# Allegro board T736_DEMO_CORE_AXP8191_LP4_4X_32X1_V0_5-draft.brd (continued)
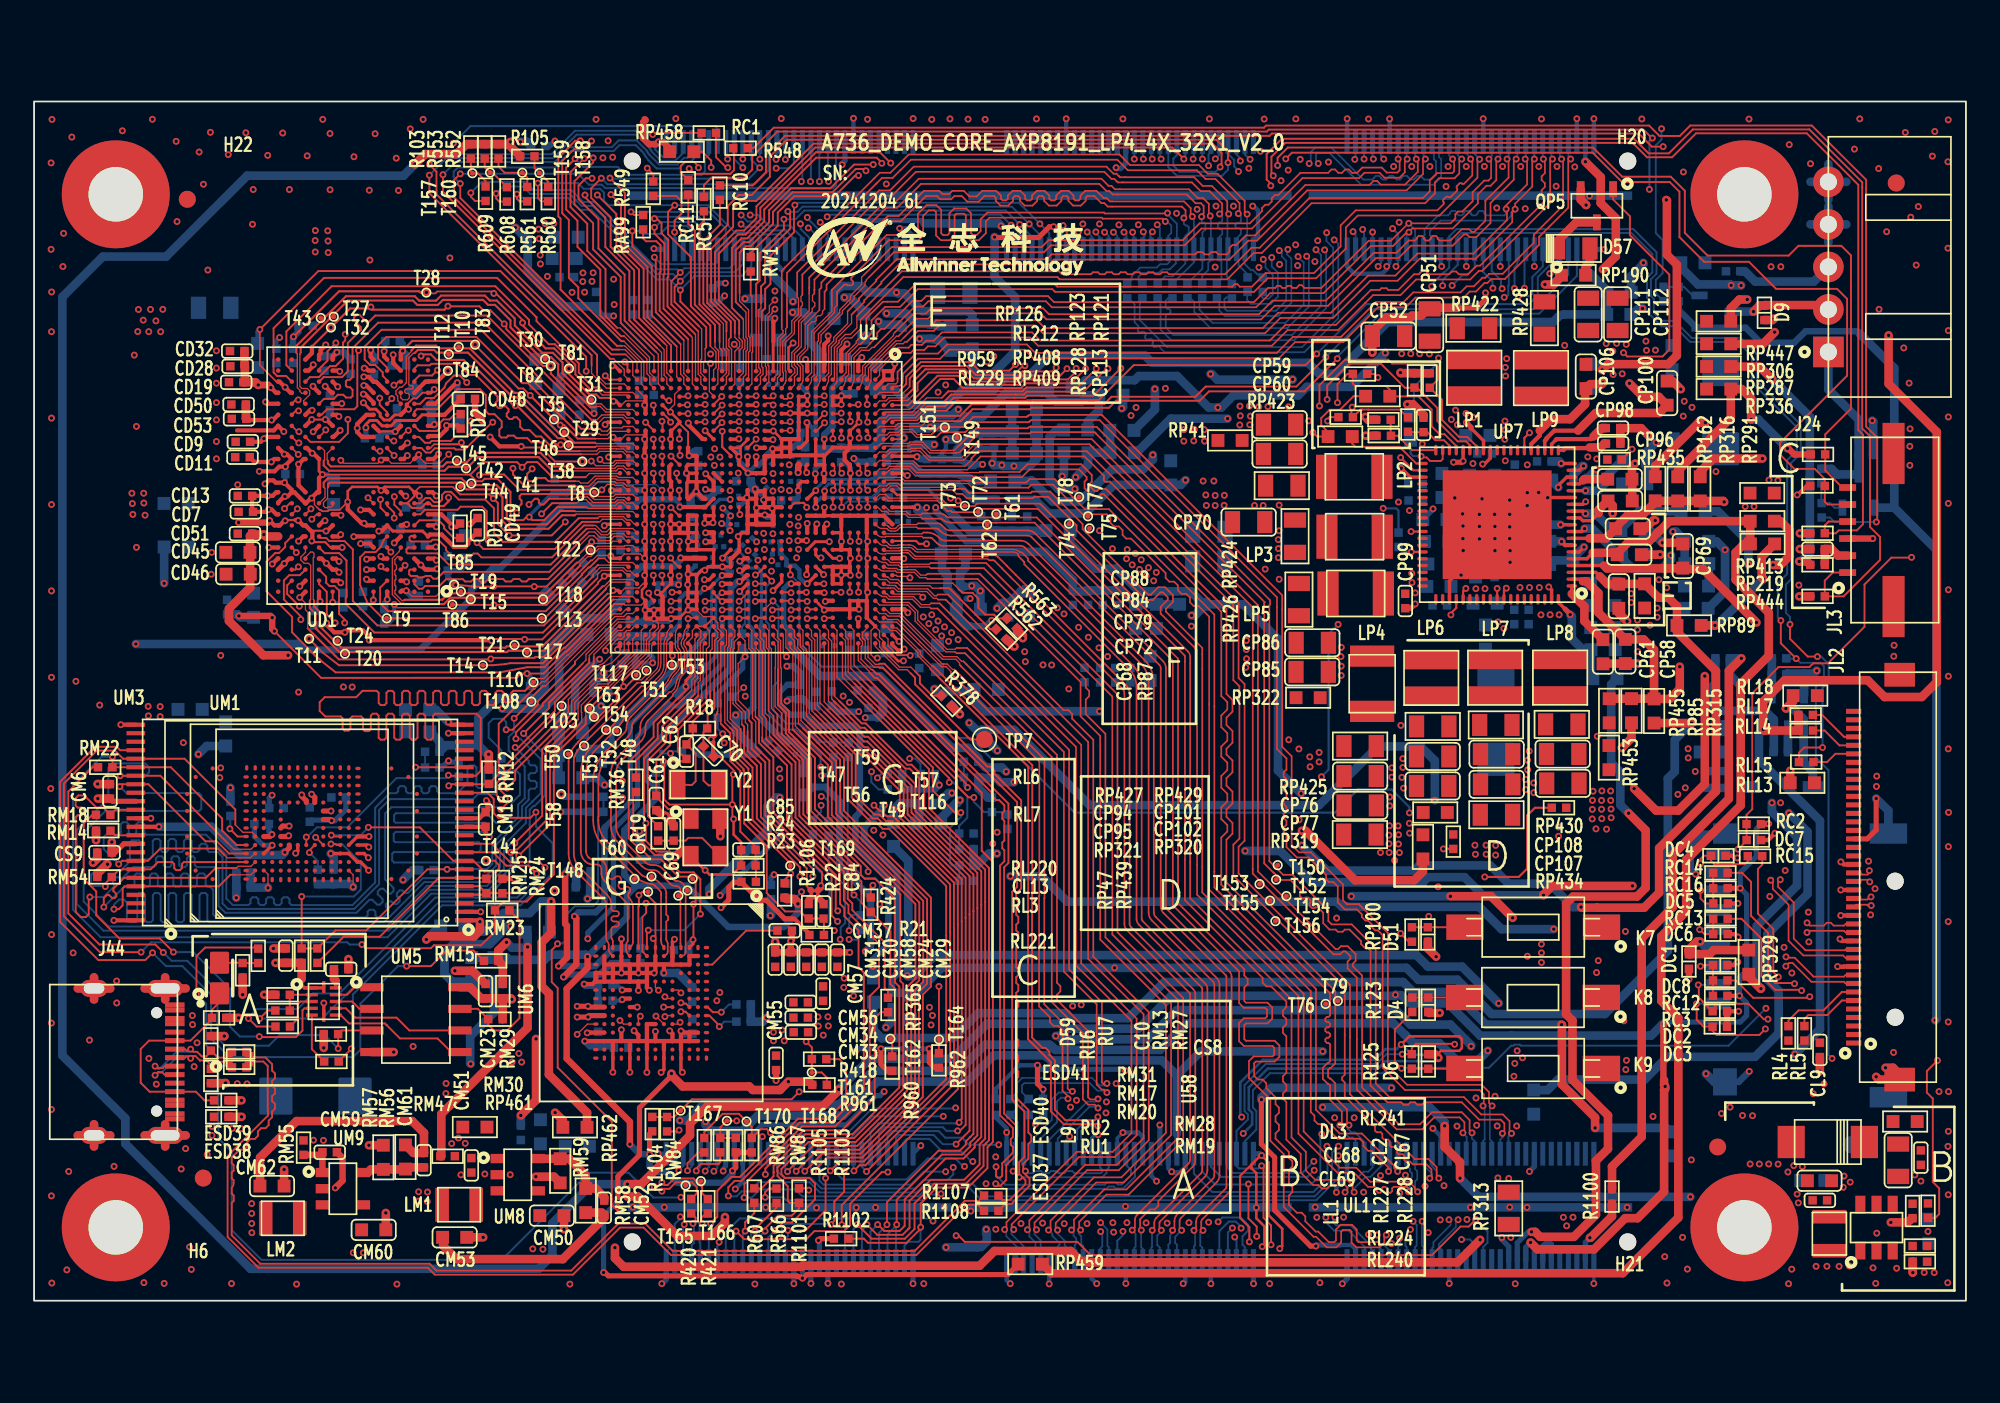
[diagram p0: board, top side]
## Copper pours and planes (outline as drawn; the poured copper is in the pictures) (continued)
VCC-PC on L4: 3.3,29.57 3.3,26.17 10.01,19.46 10.01,16.07 15.79,10.28 15.79,9.4 16.05,9.15 17.33,9.15 17.52,9.34 17.52,11.96 17.05,12.44 15.72,12.44 11.5,16.66 11.5,17.91 13.08,19.49 13.09,19.49 13.11,19.51 15.96,19.51 18.23,17.24 24.68,17.24 25.15,17.71 25.15,17.73 26.93,19.51 28.79,19.51 29.47,20.19 29.46,20.2 29.46,20.97 29.03,21.4 27.83,21.4 27.75,21.49 27.75,22.55 29.22,24.02 29.22,26.03 31.19,27.99 31.19,29.05 31.07,29.16 30.6,29.16 29.87,28.43 29.18,28.43 28.96,28.64 28.96,31.31 27.8,32.48 26.54,32.48 26.32,32.26 26.32,31.63 27.1,30.85 27.1,25.8 26.63,25.33 26.63,23.59 26.65,23.57 26.65,22.16 26.17,21.68 25.41,21.68 20.02,27.07 17.67,27.07 16.45,25.85 14.88,25.85 14.61,26.11 14.61,27.92 12.7,29.83 3.56,29.83
VCC-SYS-5V on TOP: 87.47,11.43 87.47,17.23 87.5,17.26 87.5,20.95 87.8,21.25 89.05,21.25 89.32,20.99 89.32,12.6 91.18,10.73 91.18,4.96 90.34,4.12 89.58,4.12 89.25,4.45 89.25,9.65
VCC-SYS-5V on BOTTOM: 89.49,1.64 89.51,1.61 90.78,1.61 90.8,1.62 90.8,3.04 90.77,3.06 90.77,4.94 90.61,5.1 89.57,5.1 89.49,5.01
VCC-SYS-5V on BOTTOM: 90.99,23.35 90.99,23.02 89.5,21.53 88.28,21.53 88.17,21.42 88.17,19.89 88.37,19.69 90.19,19.69 92.82,22.32 92.82,24.47 90.46,26.83 89.37,26.83 87.17,29.03 87.17,32.52 86.65,33.04 84.96,33.04 84.7,32.78 84.7,28.55 88.28,24.97 89.37,24.97
VCC-UFS on TOP: 12.52,7.23 13.54,7.23 13.78,6.99 13.78,6.09 14.01,5.86 14.01,3.78 13.91,3.68 12.6,3.68 12.43,3.85 12.43,7.14
VCC-UFS on TOP: 34.8,17.13 34.8,17.36 34.96,17.51 37.52,17.51 37.72,17.72 38.16,17.72 38.49,17.39 39.05,17.39 39.17,17.26 39.17,16.7 38.97,16.5 38.39,16.5 38.18,16.7 37.93,16.7 37.62,17.01 34.93,17.01
VCC-UFS on TOP: 24.75,10.46 24.27,9.98 24.27,9.14 24.42,8.99 25.46,8.99 25.73,9.26 25.73,10.51 25.58,10.66 24.9,10.66 24.74,10.5 24.74,10.47
VCC-UFS on BOTTOM: 37.5,17.82 37.19,17.51 35.36,17.51 35.01,17.16 32.98,17.16 32.06,18.07 30.26,18.07 29.13,16.95 29.13,16.93 28.38,16.17 28.38,16.17 27.39,15.18 27.39,13.79 24.08,10.49 20.38,10.49 16.26,6.37 12.69,6.37 12.3,5.97 12.3,4.01 12.55,3.75 18.34,3.75 22.79,8.2 22.79,8.22 24.97,8.22 31.35,14.6 31.35,15.69 31.81,16.15 32.65,16.15 32.71,16.08 32.71,15.68 33.05,15.34 34.43,15.34 34.57,15.21 34.57,14.68 34.72,14.53 35.18,14.53 35.84,15.19 36.47,15.19 37.55,16.27 38.81,16.27 38.97,16.43 38.97,17.77 38.93,17.82
VCC-VDDQ on BOTTOM: outline of 90 points within 8.69,40.87 24.63,55.79
VCC-WIFI on BOTTOM: 53.57,58.65 53.57,58.64 53.51,58.58 52.54,58.58 51.32,59.8 49.1,59.8 48.73,60.17 44.14,60.17 43.65,60.66 43.65,61.29 43.76,61.19 43.76,61.01 44.09,60.67 49.17,60.67 49.43,60.41 53.1,60.41 53.63,59.88 53.63,58.7
VDD-COMB0 on BOTTOM: 61.04,36.59 64.95,36.59 65.24,36.88 65.99,36.88 66.02,36.85 66.02,35.6 65.98,35.55 59.45,35.55 59.02,35.98 59.02,37.47 59.17,37.61 60.02,37.61
VDD-COMB0 on L4: 45.14,46.06 45.14,45.35 45.32,45.16 46.88,45.16 47.04,45.32 49.69,45.32 51.1,43.91 57.43,43.91 58.68,42.66 58.68,37.24 59.08,36.84 60,36.84 60.17,37.01 60.17,42.45 57.75,44.88 53.23,44.88 52.66,45.45 51.5,45.45 51.01,45.93 47.5,45.93 47.03,46.39 45.47,46.39 45.14,46.06
VDD-CPUB on TOP: 43.85,43.45 43.72,43.57 43.72,46.11 44.02,46.42 45.02,46.42 45.12,46.32 45.12,44.44 45.12,43.56 45.01,43.45
VDD-CPUB on TOP: 78.46,28.14 78.36,28.04 78.36,25.68 78.5,25.54 80.24,25.54 80.45,25.74 80.45,27.9 80.2,28.14
VDD-CPUB on BOTTOM: 43.72,44.9 43.72,46.22 43.82,46.32 48.78,46.32 49.12,45.98 52.83,45.98 53.12,45.69 53.12,45.68 53.18,45.62 53.18,42.07 53.65,41.6 53.65,40.66 53.86,40.45 54.51,40.45 54.6,40.37 54.6,38.85 54.25,38.5 51.6,38.5 51.03,39.06 50.05,39.06 49.83,38.83 46.05,38.83 45.64,39.24 45.64,42.79 44.97,43.46 44.76,43.46 44.75,43.46 44.59,43.46 44.2,43.85 44.2,44.42
VDD-CPUB on L3: 52.39,40.75 51.97,40.33 51.97,37.41 52.87,36.51 55.73,36.51 59.81,32.43 74.75,32.43 75.1,32.79 75.6,32.79 75.89,32.5 75.89,30.18 75.93,30.15 75.93,30.03 75.45,29.56 75.45,25.81 75.67,25.59 80.05,25.59 80.37,25.91 80.37,28.4 83.28,31.31 83.28,36.96 80.45,39.79 80.41,39.79 78.89,41.32 70.9,41.32 68.56,38.98 61.39,38.98 59.62,40.75
VDD-CPUL on TOP: 43.59,43.49 43.59,43.49 43.59,42.82 43.45,42.68 43.2,42.68 43.11,42.76 43.11,43.27 42.99,43.39 42.79,43.39 42.65,43.25 42.65,43.08 42.56,42.99 42.3,42.99 42.22,43.07 42.22,43.74 42.08,43.88 41.88,43.88 41.72,44.04 41.72,44.74 41.82,44.83 42.19,44.83 42.22,44.86 42.22,45.25 42.3,45.33 43.55,45.33 43.59,45.28
VDD-CPUL on BOTTOM: 43.62,43.61 43.85,43.38 43.85,43.06 43.44,42.65 43.15,42.65 43.01,42.78 43.01,43.06 42.72,43.36 42.61,43.37 42.45,43.4 41.74,44.11 41.72,44.11 41.45,44.39 41.45,44.51 42.14,45.2 42.14,45.57 42.31,45.74 43.55,45.74 43.61,45.68 43.61,45.68 43.61,45.33 43.62,45.32
VDD-CPUL on BOTTOM: 63.89,44.36 63.89,43.23 64.23,42.89 64.55,42.89 65.3,42.15 68.19,42.15 68.55,42.51 68.55,44.14 68.34,44.35 65.18,44.35 65.03,44.5 64.02,44.5
VDD-CPUL on L3: 42.18,44.58 42.18,45.09 42.42,45.33 46.7,45.33 46.83,45.46 52.43,45.46 53.52,46.55 65.58,46.55 66.28,45.85 66.28,41.89 65.51,41.11 55.12,41.11 54.91,40.9 52.31,40.9 51.85,40.45 51.85,39.56 51.11,38.82 42.87,38.82 41.75,39.94 41.75,44.15
VDD-DRAM on TOP: 41.07,47.84 40.82,47.84 40.62,48.03 40.62,48.3 40.57,48.34 40.27,48.34 40.16,48.23 40.16,47 40.24,46.93 41,46.93 41.13,47.06 41.13,47.78
VDD-DRAM on BOTTOM: 38.68,44.51 38.68,43.54 38.72,43.5 40.07,43.5 40.17,43.6 40.17,44.01 40.23,44.07 40.23,44.6 40.09,44.74 40.09,45.28 39.99,45.39 39.34,45.39 39.24,45.29 39.24,44.75 39.24,44.74 39.24,44.64 39.2,44.6 38.77,44.6
VDD-DRAM on BOTTOM: 31.45,62.84 31.45,59.96 31.73,59.68 32.88,59.68 33.17,59.97 33.17,61.95 32.24,62.88 31.48,62.88
VDD-DRAM on BOTTOM: 40.63,47.77 41.33,47.77 41.58,47.52 41.58,47.15 41.53,47.11 41.24,47.11 41.23,47.12 41.02,46.9 41.02,46.89 41,46.87 40.39,46.87 39.99,46.47 39.77,46.47 39.69,46.55 39.69,46.73 40,47.05 40.26,47.05 40.58,47.38 40.58,47.71
VDD-DRAM on L3: 38.72,48.66 38.72,50.65 37.67,51.7 37.67,53.36 31.92,59.11 31.92,60.72 32,60.8 35.38,60.8 39.19,56.99 39.19,54.86 40.14,53.91 40.14,50.97 40.26,50.84 41.05,50.84 41.18,50.71 41.18,48.89 41.19,48.88 41.19,47.05 41.05,46.91 40.2,46.91 40.14,46.85 40.13,46.85 39.69,46.42 39.69,44.56 39.57,44.44 38.84,44.44 38.34,44.93 38.34,48.28
VDD-DRAM on L4: 39.31,44.3 38.33,45.28 38.33,46.35 39.98,48 41.05,48 41.21,47.84 41.21,47.01 40.14,45.94 40.14,44.62 39.82,44.3
VDD-GPU on TOP: 75.25,35.85 76.5,35.85 76.59,35.75 76.59,33.89 75.96,33.25 75.96,31.4 75.65,31.09 74.57,31.09 74.42,31.24 74.42,34.18 75.14,34.9 75.14,35.74
VDD-GPU on TOP: 41.03,44.51 40.57,44.51 40.26,44.82 40.26,46.67 40.39,46.8 40.95,46.8 41.08,46.67 41.08,44.57
VDD-GPU on L3: 41.2,43.47 41.2,39.59 42.08,38.72 42.08,38.71 42.25,38.54 50.32,38.54 52.44,36.42 55.68,36.42 59.94,32.15 74.7,32.15 75.1,32.55 75.11,32.55 75.65,32.55 75.74,32.45 75.74,30.6 74.49,29.34 55.89,29.34 52.5,32.73 51.15,32.73 48.14,35.74 47.43,35.74 47.38,35.69 37.64,35.69 34.88,38.51 34.87,39.48 34.88,39.49 34.88,41.04 34.87,41.05 35.93,42.11 37.5,42.11 37.84,42.45 37.84,43.21 38.28,43.65 38.28,43.93 38.67,44.32 39.62,44.32 39.83,44.52 39.83,45.32 40.14,45.63 40.14,46.67 40.26,46.8 41.03,46.8 41.15,46.67 41.15,46.01 41.79,45.38 41.79,44.49 41.5,44.2 41.5,43.77
VDD-NPU on TOP: 87.52,29.19 87.41,29.29 86.28,29.29 86.19,29.2 86.19,27.28 85.97,27.06 84.4,27.06 84.29,26.95 84.29,25.51 84.56,25.24 87.25,25.24 87.52,25.51
VDD-NPU on TOP: 41.15,49.26 41.15,49.07 41.28,48.95 41.41,48.95 41.56,48.8 41.56,48.52 41.48,48.44 41.23,48.44 41.15,48.37 41.15,48.09 41.05,47.99 40.81,47.99 40.72,48.08 40.72,48.34 40.58,48.48 40.43,48.48 40.31,48.59 40.31,48.59 40.05,48.86 39.8,48.86 39.73,48.93 39.73,49.27 39.52,49.48 39.52,50.04 39.79,50.32 40.12,50.32 40.7,49.74 40.7,49.51 40.83,49.37 41.04,49.37
VDD-NPU on BOTTOM: 41.3,49.29 41.3,49.01 41.58,48.74 41.58,48.74 41.62,48.7 41.62,47.88 41.59,47.85 40.96,47.85 40.55,48.26 39.93,48.26 39.76,48.44 39.76,48.93 39.5,49.19 39.5,49.82 39.5,49.83 39.5,50.24 39.33,50.41 38.9,50.41 38.9,50.41 38.65,50.41 37.99,51.07 36.83,51.07 36.35,51.55 36.35,52.81 36.11,53.05 36.11,54.31 36.02,54.4 36.02,54.4 35.62,54.8 29.11,54.8 27.5,56.42 27.5,56.92 23.88,60.53 16.52,60.53 16.17,60.89 16.17,63.16 16.45,63.43 16.45,63.47 16.73,63.76 26.04,63.76 28.51,61.29 28.51,60.42 31.4,57.52 32.41,57.52 32.42,57.53 37.47,57.53 38.33,56.67 38.33,56.04 39.65,54.72 39.83,54.72 41.08,53.47 41.08,50.66 40.84,50.41 40.84,49.75
VDD-NPU on L3: 16.66,60.03 15.16,60.03 13.72,58.58 13.72,38.86 14.34,38.24 14.34,37.51 17.17,34.69 24.77,34.69 35.35,24.11 41.6,24.11 43.34,25.84 49.43,25.84 51.08,24.19 51.08,24.19 51.9,23.37 63.32,23.37 63.9,22.79 81.52,22.79 82.35,23.62 82.35,23.62 83.2,24.48 83.2,26.65 83.95,27.39 86.31,27.39 87.07,26.63 87.07,21.24 83.34,17.51 62.97,17.51 62.97,17.54 62.2,18.31 56.4,18.31 56.38,18.29 42.58,18.29 40.38,16.09 35.54,16.09 33.35,18.29 30.6,18.29 18.71,30.18 14.23,30.18 13.99,30.42 13.99,30.43 13.58,30.84 13.57,30.84 8.83,35.58 8.83,62.21 10.37,63.76 17.49,63.76 17.71,63.53 17.71,63.19 17.71,63.19 17.71,61.08
VDD-SYS on TOP: 67.55,51.92 69.51,51.92 70,51.43 70,50.12 69.55,49.67 67.49,49.67 67.27,49.88 67.29,51.63
VDD-SYS on TOP: 44.66,47.11 44.46,46.9 43.8,46.9 43.69,47 43.69,47.26 43.49,47.46 43.31,47.46 43.24,47.54 43.24,47.84 43.19,47.89 41.36,47.89 41.26,47.99 41.26,48.27 41.33,48.35 43.01,48.35 43.16,48.5 43.16,48.76 43.29,48.88 43.62,48.88 43.72,48.98 43.72,49.26 43.84,49.38 44.51,49.38 44.66,49.24
VDD-SYS on BOTTOM: 44.59,48.78 44.59,47.52 44.34,47.27 44.34,46.96 44.22,46.88 44.21,46.87 43.81,46.87 42.75,47.92 42.75,48.8 43.69,49.75 45.04,49.75 45.3,49.49
VDD-SYS on L3: 42.71,47.89 42.71,48.34 44.77,50.4 44.77,54.13 45.17,54.53 60.12,54.53 60.12,54.53 64.07,54.53 65.32,53.28 67.05,53.28 68.42,51.91 68.42,50.64 68.14,50.36 67.99,50.36 64.89,47.26 55.08,47.26 54.65,47.69 51.66,47.69 50.81,46.84 43.75,46.84
VDD-SYS on L3: 66.37,49.77 68.9,49.77 69.16,50.03 69.16,51.2 68.45,51.91 66.11,51.91 65.97,51.77 65.97,50.44 66.1,50.31 66.1,50.04
VDD-VE on TOP: 82.04,29.14 81.97,29.21 81.25,29.21 81.18,29.14 81.18,28.64 80.87,28.33 80.69,28.33 80.51,28.16 80.51,27.51 81.04,26.98 81.99,26.98 82.04,27.03
VDD-VE on BOTTOM: 43.19,51.96 43.19,50.09 42.47,49.38 41.83,49.38 41.71,49.49 41.71,53.49 41.88,53.65 41.88,55.07 41.88,55.07 41.88,55.53 41.15,56.25 40.53,56.25 38.39,58.4 37.3,58.4 36.46,59.24 35.45,59.24 33.39,61.3 33.39,61.8 33.39,61.8 33.39,62.04 32.34,63.08 31.53,63.08 30.93,63.68 26.56,63.68 26.37,63.87 12.85,63.87 8.44,59.47 5.2,59.47 4.09,58.35 4.09,39.43 5.99,37.53 18.96,37.53 19.28,37.21 19.28,36.14 19.01,35.86 10.54,35.86 10.53,35.87 3.92,35.87 2.37,37.42 2.37,58.89 4.12,60.64 7.87,60.64 12.05,64.82 27.14,64.82 27.43,64.53 31.45,64.53 32.01,63.97 32.67,63.97 34.15,62.5 34.15,62.04 36.33,59.86 37.05,59.86 37.82,59.1 38.63,59.1 40.52,57.21 42.44,57.21 42.87,56.78 42.87,56.16 42.91,56.12 42.92,56.12 43.31,55.73 43.31,53.43 43.21,53.33 43.21,51.98
VDD-VE on L3: 72.7,24.01 72.37,24.34 66.09,24.34 66.08,24.33 53.53,24.33 49.74,28.12 45.83,28.12 43.95,30 42.87,30 41.21,31.65 32.23,31.65 27.99,35.89 18.04,35.89 17.88,36.05 17.88,37.48 18.03,37.63 30.22,37.63 33.7,34.15 42.91,34.15 46.33,30.73 50.31,30.73 54.93,26.11 72.53,26.11 73.21,25.43 79.84,25.43 79.84,25.42 80.12,25.42 80.5,25.81 80.5,28.2 80.61,28.31 81.51,28.31 81.61,28.22 81.61,25.27 80.35,24.01
DC1 on TOP: 82.86,56.06 83.02,56.22 84.6,56.22 84.97,56.6 84.97,57.76 85.07,57.86 86.13,57.86 86.7,57.29 86.7,54.04 83.62,54.04 82.86,54.81
DC1 on TOP: 83.86,52.35 83.86,51.39 85.03,50.22 85.03,49.72 85.09,49.66 85.25,49.66 85.33,49.74 85.33,50.68 84.94,51.08 84.94,51.87 84.42,52.4 83.9,52.4
DC1 on BOTTOM: 83.89,52.36 83.89,51.6 84.04,51.45 84.63,51.45 86.83,53.65 86.83,55.35 86.57,55.61 86.02,55.61 85.79,55.39 85.79,54.24 84.06,52.51 84.01,52.51 83.89,52.39
DC2 on TOP: 73.98,47.06 73.8,47.23 73.8,48.61 73.91,48.72 73.93,48.74 74.82,48.74 75.02,48.95 75.02,49.77 75.13,49.88 76.32,49.88 76.32,49.87 76.48,49.87 76.59,49.76 76.59,47.13 76.51,47.06
DC3 on TOP: 73.44,43.26 73.41,43.29 73.41,44.47 73.46,44.52 74.62,44.52 75.06,44.96 75.06,46.08 75.17,46.19 75.18,46.19 75.27,46.28 76.54,46.28 76.58,46.24 76.58,43.36 76.48,43.26
DC4 on TOP: 79.66,31.88 78.47,31.88 78.37,31.98 78.37,33.32 78.04,33.65 77.42,33.65 77.12,33.96 77.12,35.17 77.2,35.25 80.04,35.25 80.15,35.15 80.15,33.37 79.82,33.04 79.82,32.03
DC5 on TOP: 75.4,40.17 75.4,40.17 75.32,40.25 75.32,41.45 75.09,41.68 74.54,41.68 74.54,41.67 73.69,41.67 73.52,41.84 73.52,42.81 73.67,42.95 76.55,42.95 76.67,42.84 76.67,40.27 76.56,40.17
DC6 on TOP: 81.93,33.15 81.93,34.67 82,34.74 83.66,34.74 83.8,34.88 83.8,36.06 83.71,36.15 80.52,36.15 80.4,36.03 80.4,33.12 80.53,32.99 81.77,32.99
DC7 on TOP: 87.52,33.08 86.37,33.08 86.25,33.2 86.25,34.41 85.93,34.72 84.3,34.72 84.11,34.91 84.11,36.01 84.28,36.18 87.5,36.18 87.58,36.1 87.58,33.14
DC8 on TOP: 89.32,33.27 89.32,34.33 89.79,34.8 91.46,34.8 91.57,34.92 91.57,36.06 91.48,36.16 88.08,36.16 87.9,35.98 87.9,33.4 88.17,33.13 89.19,33.13
DC9 on TOP: 90.22,57.33 90.07,57.49 87.53,57.49 86.89,56.85 86.89,54.77 86.93,54.73 90.12,54.73 90.22,54.84
DCDC1 on TOP: 100.33,47.93 101.23,47.93 101.35,47.81 101.35,46.6 101.24,46.49 100.29,46.49 100.24,46.54 100.24,47.84
DCDC1 on TOP: 92.18,31.79 95.26,31.79 95.9,31.78 97.29,30.4 97.29,30.01 96.8,29.52 95.89,29.52 94.9,30.51 92.21,30.51 91.94,30.78 91.94,31.55
DCDC1 on TOP: 26.23,9.73 26.23,12.62 28.41,14.8 28.61,14.8 29.09,14.33 29.09,13.58 27.85,12.35 27.85,10.01 27.46,9.62 26.34,9.62
DCDC1 on TOP: 84.18,56.57 84.18,57.79 84.06,57.91 82.91,57.91 82.32,57.32 80.24,57.32 79.94,57.02 79.94,55.62 80.13,55.44 82.19,55.44 82.41,55.66 82.41,55.86 82.97,56.42 83.07,56.42 83.08,56.41 84.02,56.41
DCDC1 on BOTTOM: 50.97,16.96 50.97,16.21 51.17,16.01 51.18,16.02 53.08,16.02 54.47,17.42 60.63,17.42 60.92,17.12 61.69,17.12 61.92,17.35 61.92,18.22 61.34,18.8 53.76,18.8 52.82,17.85 52.66,17.85 51.83,17.02 51.04,17.02
DCDC1 on BOTTOM: 21.38,35.13 22.28,35.13 22.31,35.1 22.31,33.04 21.06,31.8 14.92,31.8 13.57,30.44 10.75,30.44 10.49,30.7 10.49,31.39 10.72,31.62 12.15,31.62 13.57,33.03 19.85,33.03 21.31,34.5 21.31,35.06
DCDC1 on BOTTOM: 96.54,30.47 97.23,30.47 98.07,29.63 102.71,29.63 102.9,29.44 102.9,29 102.73,28.41 101.94,28.42 96.89,28.42 96.34,28.97 96.34,30.26
DCDC1 on BOTTOM: 58.02,39.91 58.02,40.65 58.1,40.72 59.62,40.72 59.84,40.94 60.33,40.94 60.68,40.59 60.68,40.15 60.15,39.61 60.14,39.61 60.04,39.52 60.04,38.64 56.87,35.47 56.4,35.47 56.21,35.67 56.21,36.49 58.56,38.84 58.56,39.53 58.23,39.85 58.09,39.85 58.03,39.91
DCDC1 on BOTTOM: 82.22,55.81 82.22,55.28 80.45,53.52 80.45,49.31 79.08,47.94 68.25,47.94 67.32,48.86 66.25,48.86 66,49.11 66,49.7 66.19,49.9 70.65,49.9 70.77,50.01 70.77,50.02 72.61,51.86 76.03,51.86 80.1,55.92 81.67,55.92 81.68,55.93 82.1,55.93
DCDC1 on L3: 92.8,49.95 92.8,49.21 99.55,42.46 99.55,36.08 101.85,33.78 101.85,28.73 102.23,28.36 103.73,28.36 104.61,29.22 104.61,39.95 103.46,41.1 103.46,44.46 103.46,44.46 103.46,44.67 101.25,46.88 98.92,46.88 97.87,47.93 97.87,49.25 92.83,54.28 91.93,54.28 88.75,57.47 88.39,57.8 81.22,57.8 80.03,56.6 80.03,55.53 80.42,55.13 87.61,55.13
DCDC1 on L3: 59.85,40.95 59.85,40.64 60.6,39.89 61.82,39.89 62.33,39.38 66.61,39.38 71.55,44.32 71.55,48.19 71.12,48.61 68.74,48.61 67.7,47.58 67.7,42.94 65.75,40.99 59.89,40.99
DCDC1 on L3: 26.46,13.74 17.77,22.43 16.06,22.43 10.49,28.01 10.49,31.41 10.61,31.54 11.65,31.54 12.77,30.42 12.77,28.44 13.33,27.87 15.73,27.87 28.59,15.01 46.49,15.01 48.96,17.48 52.16,17.48 52.16,17.48 52.9,17.48 53.07,17.31 53.07,16.65 52.97,16.55 52.36,16.55 51.61,15.8 48.79,15.8 46.73,13.74
DCDC1 on L4: 58.47,35.21 61.79,31.88 61.79,17.21 61.59,17.01 60.61,17.01 60.37,17.25 60.37,31.33 57.35,34.36 57.35,38.04 57.36,38.05 57.36,38.33 57.43,38.4 58.34,38.4 58.47,38.27
DCDC2 on TOP: 72.91,47.16 72,47.16 70.6,48.57 70.6,53.03 70.86,53.29 72.78,53.29 72.95,53.12 72.95,47.2
DCDC2 on BOTTOM: 30.81,62.23 30.78,62.2 29.54,62.2 29.46,62.28 29.46,63.44 29.6,63.57 30.73,63.57 30.81,63.48
DCDC2 on BOTTOM: 65.1,38.36 65.1,37.59 65.25,37.44 66.14,37.44 66.72,36.86 71.35,36.86 71.67,37.18 71.67,38.95 71.56,39.05 69.02,39.05 68.49,38.51 65.25,38.51
DCDC2 on L3: 72.37,50.98 70.66,50.98 70.33,51.31 70.33,55.12 67.61,57.84 58.34,57.84 57.8,58.38 55.62,58.38 52.96,61.04 41.61,61.04 40.83,60.25 38.66,60.25 38.65,60.26 36.26,60.26 35.46,61.07 30.58,61.07 29.79,61.86 29.53,61.86 29.34,62.05 29.34,63.52 30.18,64.36 32.53,64.36 32.64,64.25 34.43,64.25 34.74,64.56 43.66,64.56 44.04,64.93 53.69,64.93 57.2,61.43 59.41,61.43 60.46,60.37 69.08,60.37 73.13,56.32 73.13,51.74
DCDC2 on L4: 70.67,52.83 70.36,52.52 70.36,50.6 70.01,50.24 70.01,48.88 70.17,48.72 70.17,45.98 71.01,45.13 71.01,30.45 74.4,27.06 74.4,27.07 74.64,27.07 74.79,27.22 74.79,28.93 72.35,31.37 72.35,50.36 72.69,50.7 72.69,52.73 72.6,52.83
DCDC3 on TOP: 74.62,46.56 74.62,46.56 74.75,46.43 74.75,45.44 74.67,45.36 73.69,45.36 73.31,44.98 73.31,44.81 73.28,44.79 73.28,44.6 73.28,44.6 73.28,43.56 73.12,43.4 72.45,43.4 71.85,44 71.85,45.13 71.85,45.13 71.85,46.28 71.56,46.57 71.56,46.88 71.71,47.02 73.72,47.02 73.87,46.88 74.3,46.88
DCDC3 on BOTTOM: 74,46.84 73.81,47.03 71.99,47.03 71.98,47.03 71.61,47.03 71.47,46.89 71.47,46.89 70.72,46.14 70.72,46.13 70.55,45.97 69.67,45.97 69.51,45.81 69.51,42.84 69.56,42.78 73.58,42.78 74,43.2
DCDC4 on TOP: 77.48,26.83 77.48,33.17 77.3,33.35 76.44,33.35 76.13,33.04 76.13,27 76.42,26.72 76.42,26.72 77.36,26.72
DCDC5 on TOP: 73.82,35.04 74.51,35.04 74.83,35.35 74.83,39.23 75.15,39.55 75.15,40.72 73.67,40.72 73.63,40.69 73.63,35.22
DCDC6 on TOP: 83.72,27.05 83.18,27.05 82.64,27.59 82.64,28.36 82.65,28.37 82.65,34.37 82.78,34.49 83.82,34.49 84.01,34.3 84.01,27.34
DCDC7 on TOP: 85.43,27.5 85.43,34.44 85.35,34.51 84.42,34.51 84.16,34.26 84.16,27.53 84.29,27.4 85.33,27.4
DCDC8 on TOP: 90.14,34.4 90.31,34.57 91.45,34.57 91.5,34.52 91.5,30.77 91.92,30.35 92.51,30.35 92.92,29.94 92.92,27.55 92.74,27.37 90.62,27.37 89.73,28.26 89.73,29.24 90.14,29.65
DCDC8 on BOTTOM: 5.52,47.97 7.71,47.97 8.03,47.66 8.03,46.07 7.73,45.78 5.48,45.78 5.21,46.05 5.21,47.66
DCDC8 on BOTTOM: 6.33,35.44 8.71,35.44 8.87,35.29 8.87,33.92 8.72,33.77 6.33,33.77 6.17,33.94 6.17,35.28
DCDC8 on BOTTOM: 10.16,58.94 10.16,56.75 9.61,56.2 6.1,56.2 5.4,56.9 5.4,58.93 5.58,59.11 8.24,59.11 8.24,59.11 10,59.11
DCDC8 on L3: 36.34,3.62 35.86,4.1 34.04,4.1 33.47,3.53 16.54,3.53 1.71,18.36 1.71,58.62 1.99,58.91 7.87,58.91 8.28,58.49 8.28,26.02 23.48,10.82 50.54,10.82 51.3,11.59 83.95,11.59 83.97,11.61 85.72,11.61 91.06,16.95 91.06,23.13 91.05,23.13 91.05,30.22 91.43,30.6 92.98,30.6 94.19,29.39 95.94,29.39 97.17,28.15 97.17,16.29 97.07,16.2 97.07,14.16 86.54,3.62
DCDC9 on TOP: 90.73,59.73 95.3,59.73 95.83,59.2 95.83,55.88 95.63,55.67 94.67,55.67 94.53,55.82 94.53,57.71 94.11,58.13 88.19,58.13 88.01,58.32 88.01,59.18 88.18,59.35 90.34,59.35
DCDC9 on BOTTOM: 96.68,55.72 96.61,55.66 94.5,55.66 94.36,55.8 94.36,56.5 94.71,56.85 96.31,56.85 96.68,56.48
DCIN on TOP: 88.32,41.56 88.8,41.56 88.9,41.45 88.9,40.67 88.98,40.59 89.63,40.59 89.82,40.4 89.82,40.08 89.7,39.96 88.42,39.96 88.24,40.13 88.24,41.48
DCIN on BOTTOM: 103.29,6.6 104.15,6.6 104.3,6.74 104.3,7.86 104.02,8.13 103.03,8.13 102.83,7.93 102.83,7.06
DCIN on BOTTOM: 17.98,13.82 21.13,13.82 21.14,13.82 21.17,13.79 24.61,13.79 25.2,13.2 25.2,11.97 24.03,10.8 17.77,10.8 17.65,10.92 17.65,13.49
DCIN on BOTTOM: 91.18,34.97 91.17,34.95 91.17,31.31 91.16,31.31 91.16,28.61 91.15,28.6 91.15,28.36 91.14,28.34 91.14,27.66 90.53,27.05 89.43,27.05 88.63,27.85 88.63,33.86 87.46,35.02 84.85,35.02 84.57,35.3 84.57,38.48 85.21,39.12 88.04,39.12 88.29,39.37 88.29,40.49 88.4,40.59 89.69,40.59 89.94,40.34 89.94,38.33 89.94,38.32 89.94,37.03 89.93,37.03 91.18,35.78
DCIN on L3: 90.85,27.77 90.85,17.13 85.72,12.01 51.21,12.01 50.31,11.1 25.16,11.1 25.16,11.1 24.26,11.1 23.85,11.51 23.85,12.85 24.19,13.19 38.24,13.19 38.45,13.4 46.96,13.4 47.82,14.26 47.95,14.26 47.96,14.25 49.83,14.25 50.42,14.84 60,14.84 60.76,15.59 80.79,15.59 81.54,14.84 83.46,14.84 83.5,14.79 88.03,19.33 88.03,27.81 88.31,28.09 90.53,28.09